# KiCad board STM32MP25XXAK with 2 DDR4.kicad_pcb (continued)
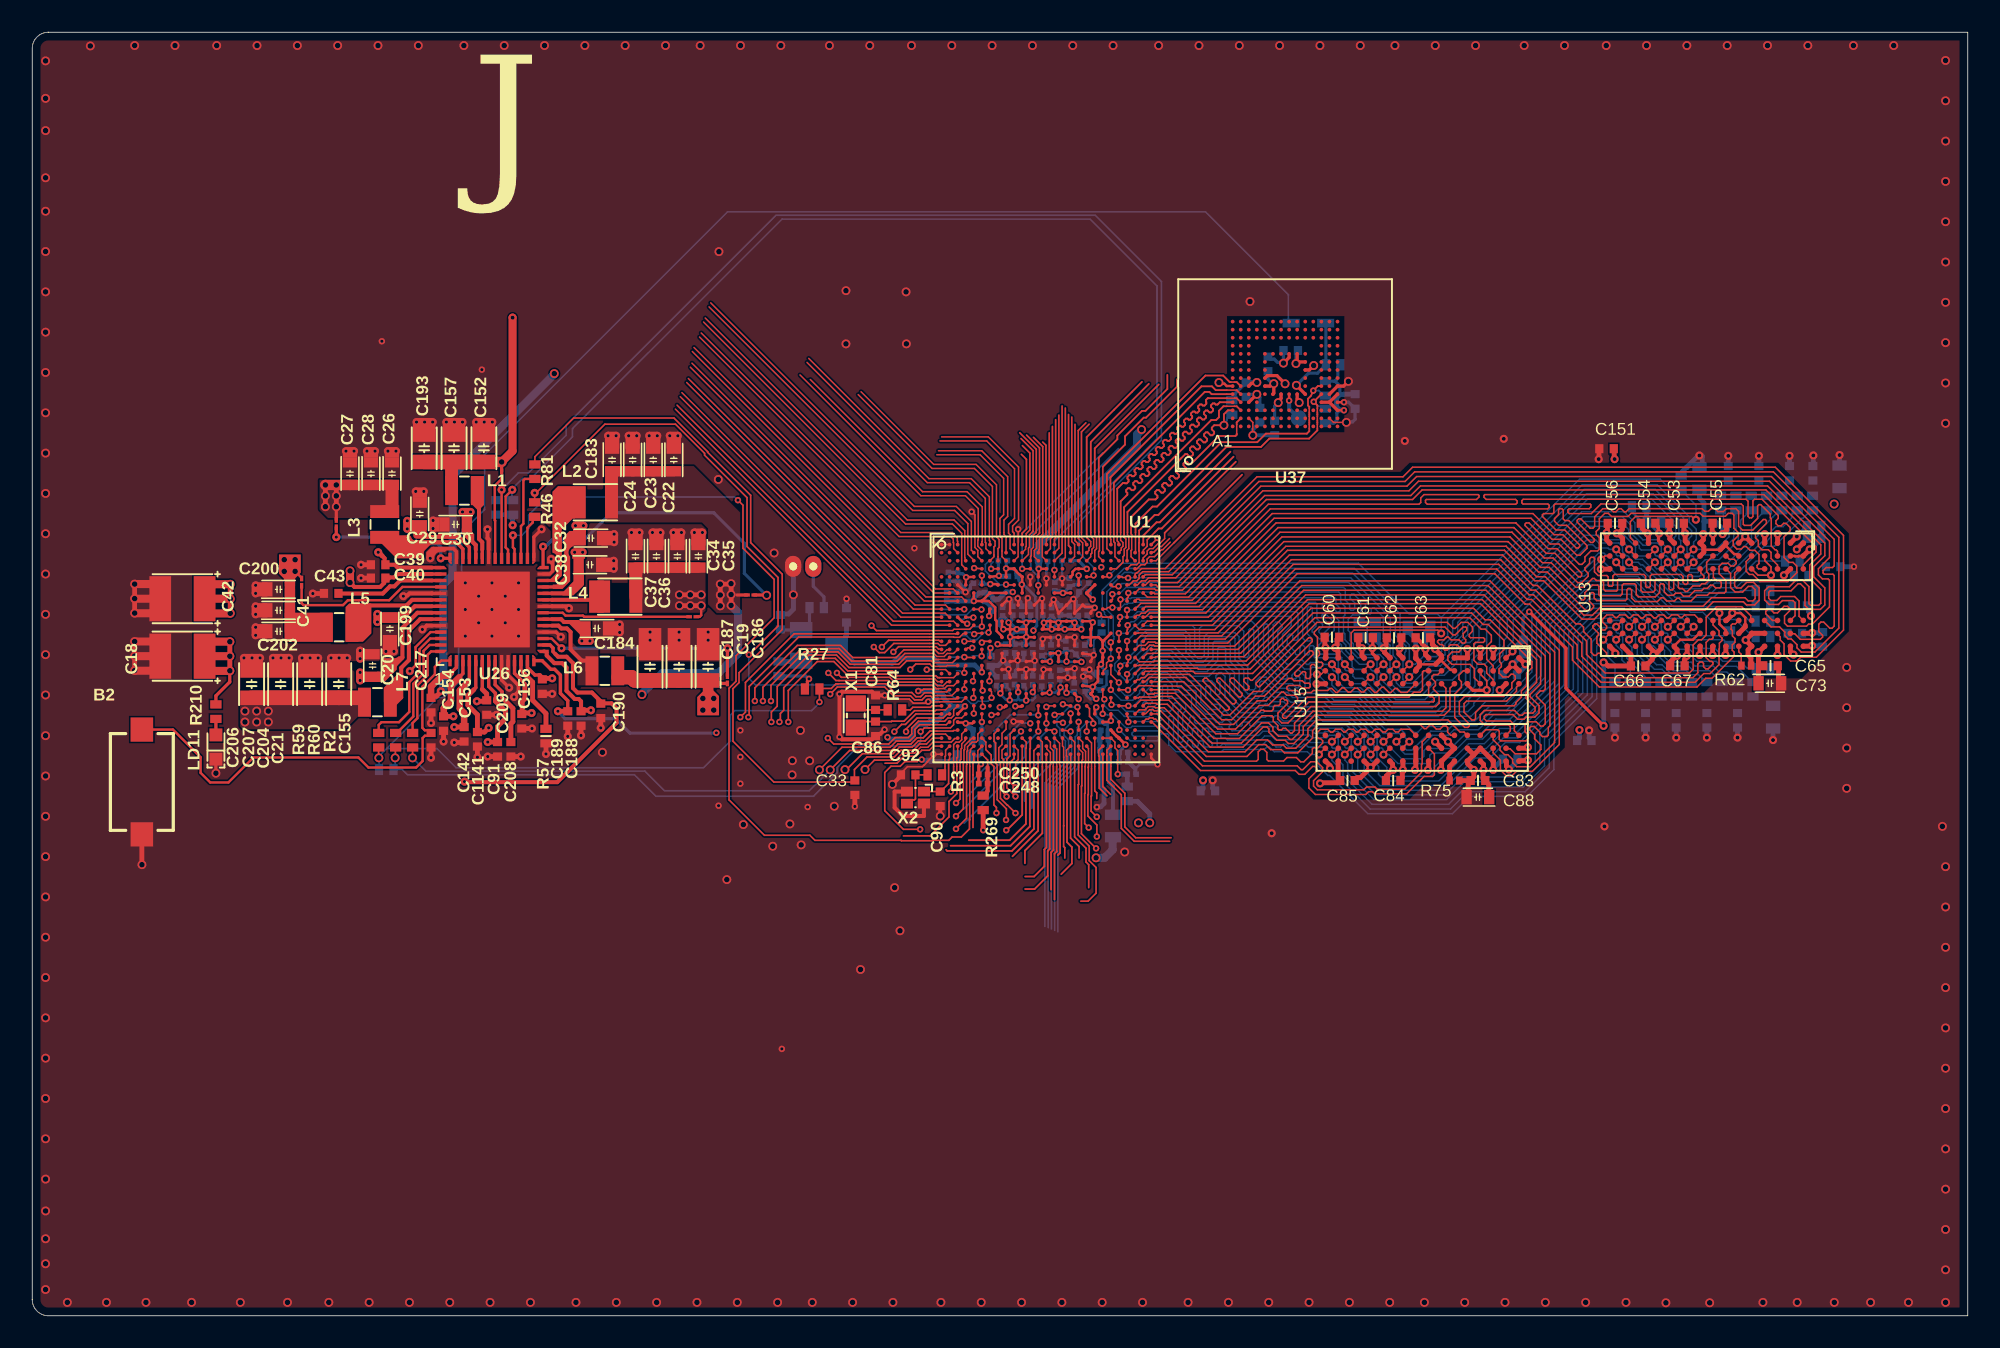
[diagram p0: board, top side]
## Routing (per net, layer and track width the routed paths; a pad name or vN(x,y) marks a point on that pad's centre or on a via; arc(x,y) is an arc through that point) (continued)
eMMC.SDMMC2_D4: length 14.7
  Top Layer w0.09: 67.7,48.27 67.81,48.17 67.81,47.65 67.7,47.54 67.7,47.15 67.63,47.07 67.63,46.72 67.23,46.32 U1.D22 66.9,46.35 ; 74.06,56.4 74.54,56.4
  Top Layer w0.11: U37.B3 74.68,56.4 74.54,56.4 ; 67.7,48.27 67.69,48.28 67.69,50.14 73.1,55.55 73.4,55.55 73.58,55.72 73.58,56.12 73.86,56.4 74.06,56.4
eMMC.SDMMC2_D5: length 17.3
  Top Layer w0.09: 67.27,48.57 67.27,48.06 67.35,47.97 67.35,47.85 U1.A23 ; 74.06,56.9 74.54,56.9
  Top Layer w0.11: 74.06,56.9 72.88,56.9 72.77,56.8 72.77,56.69 72.79,56.67 72.79,56.56 72.68,56.45 72.57,56.45 72.5,56.52 72.4,56.52 72.29,56.41 72.29,56.3 72.35,56.23 72.35,56.12 72.24,56.01 72.13,56.01 72.07,56.08 71.96,56.08 71.85,55.97 71.85,55.86 71.92,55.79 71.92,55.68 71.81,55.57 71.7,55.57 71.63,55.64 71.52,55.64 71.41,55.53 71.41,55.42 71.48,55.35 71.48,55.24 71.37,55.13 71.26,55.13 71.19,55.2 71.08,55.2 70.97,55.09 70.97,54.98 71.04,54.91 71.04,54.8 70.93,54.69 70.82,54.69 70.75,54.76 70.64,54.76 70.53,54.65 70.53,54.54 70.6,54.48 70.6,54.37 70.49,54.26 70.38,54.26 70.31,54.32 70.2,54.32 70.09,54.21 70.09,54.1 70.16,54.04 70.16,53.93 70.05,53.82 69.94,53.82 69.87,53.89 69.76,53.89 69.66,53.78 69.66,53.67 69.72,53.6 69.72,53.49 69.61,53.38 69.5,53.38 69.44,53.45 69.33,53.45 69.22,53.34 69.22,53.23 69.28,53.16 69.28,53.05 69.18,52.94 69.07,52.94 69,53.01 68.89,53.01 68.78,52.9 68.78,52.79 68.85,52.72 68.85,52.61 68.74,52.5 68.63,52.5 68.56,52.57 68.45,52.57 68.34,52.46 68.34,52.35 68.41,52.28 68.41,52.17 68.3,52.06 68.19,52.06 68.12,52.13 68.01,52.13 67.9,52.02 67.9,51.91 67.97,51.84 67.97,51.74 67.86,51.63 67.75,51.63 67.73,51.65 67.62,51.65 67.27,51.29 67.27,48.57 ; 74.54,56.9 74.68,56.9 U37.B4
eMMC.SDMMC2_D6: length 14.8
  Top Layer w0.09: 74.06,57.4 74.68,57.4 ; 66.85,48.36 66.85,48.18 66.88,48.15 U1.A22
  Top Layer w0.096: 66.85,48.36 66.85,48.57
  Top Layer w0.11: 66.85,48.57 66.85,52 72.49,57.64 73.14,57.64 73.38,57.4 74.06,57.4 ; 74.68,57.4 U37.B5
eMMC.SDMMC2_D7: length 16.1
  Top Layer w0.09: 66.63,48.57 66.63,47.57 U1.B22 ; 74.31,57.9 74.54,57.9
  Top Layer w0.11: U37.B6 74.68,57.9 74.54,57.9 ; 74.31,57.9 74.24,57.9 73.84,58.31 72.74,58.31 66.63,52.2 66.63,48.57
HSE_IN: length 3.6
  Top Layer w0.1: X2.1 56.32,32.51 56.81,33.01 56.81,34.46 56.88,34.52 U1.AG2
HSE_OUT: length 2
  Top Layer w0.09: U1.AF2 56.63,35.07 56.63,34.72 56.59,34.69 56.59,34.07
  Top Layer w0.1: 56.59,34.07 56.59,33.73 R3.2
I2C7.SCL: length 74.8
  Top Layer w0.1: U1.E15 v1(63.38,46.25)
  Top Layer w0.15: U26.33 29.5,47.5 29.35,47.65 29.35,50.81 v4(29.76,51.22)
  Bottom Layer w0.1: v1(63.38,46.25) 63.38,48.05 69.73,54.41 69.73,63.86 65.59,68.01 46.49,68.01 33.49,55.02 33.49,54.51 30.92,51.93 30.41,51.93 29.74,51.27 29.74,50.63 29.79,50.58
I2C7.SDA: length 76.1
  Top Layer w0.1: U1.E19 65.63,45.82
  Top Layer w0.15: U26.34 v4(29.1,51.22)
  Bottom Layer w0.1: 29.09,51.23 30.14,52.28 30.77,52.28 33.1,54.6 33.1,55.23 46.12,68.25 65.9,68.25 70.01,64.14 70.01,54.3 64.91,49.21 64.91,47.3 65.8,46.41 v1(65.8,45.91) ; 29.08,51.23 29.08,50.76 28.9,50.58 28.81,50.58
MP257_WAKEUP: length 59.2
  Top Layer w0.09: 58.13,34.07 58.13,34.93 58.17,34.97 58.17,35.11 U1.AF5
  Top Layer w0.1: v1(43.75,50.58) 44.06,50.27 44.06,47.6 46,45.67 46,43.28 43.63,40.92 43.63,39.35 43.2,38.92 43.2,31.99 45.4,29.8 48.21,29.8 48.52,29.49 53.86,29.49 53.89,29.46 55.79,29.46 55.81,29.49 56.83,29.49 57.03,29.69 57.6,29.69 58.11,30.19 58.11,30.75 58.13,30.77 58.13,34.07
  Top Layer w0.15: v4(29.8,48.4) 29.8,47.65 29.9,47.55 U26.32
  Bottom Layer w0.1: v1(43.75,50.58) 43.74,50.58 43.54,50.78 31.9,50.78 30.78,49.66 30.78,48.82 30.36,48.4 29.78,48.4
NetB2_2: length 28.3
  Top Layer w0.15: B2.2 8.72,36.35 10.44,34.64 10.44,33.67 11.04,33.07 12.16,33.07 13.71,34.62 20.22,34.62 20.85,34 23.8,34 24.2,34.4 24.2,35.82 24.35,35.97 24.55,35.97 C155.2 24.56,36.31 24.34,36.31 24.19,36.46 24.19,39.01 24.96,39.78 24.96,40.24 25.36,40.63 25.9,40.63
NetC14_2: length 2.9
  Bottom Layer w0.2: 48.19,43.8 48.19,42.92 47.79,42.52 D6.2 46.42,42.52 C14.2
NetC15_2: length 8.8
  Top Layer w0.15: 65.95,37.75 65.95,37.68 65.88,37.61 U1.AB20 ; U1.AC21 66.73,36.82
  Top Layer w0.16: 66.9,36.92 66.88,36.95 U1.AB22
  Bottom Layer w0.15: 66.68,36.37 66.68,36.57 66.6,36.65 ; v1(65.97,37.73) 65.95,37.72 65.95,37.2 66.17,36.99 66.17,36.94 66.36,36.75 66.37,36.75 66.47,36.65 66.64,36.65 66.88,36.89
  Bottom Layer w0.25: 66.75,35.71 66.75,33.08 67,32.83 R11.2 ; 66.67,36.37 66.67,35.77 66.72,35.72 C15.2
  vias: v1(66.88,36.9)
NetC43_2: length 6.7
  Top Layer w0.21: 24.78,45.6 U26.45
  Top Layer w0.25: 24.78,45.6 22.82,45.6 22.45,45.23 22.18,45.23 21.73,44.79 19.02,44.79
NetC54_2: length 3.4
  Top Layer w0.2: 101.01,47.93 100.98,47.93 100.83,48.08 100.83,48.48 ; 100.85,48.53 100.82,48.56 100.82,48.85 100.79,48.89 100.79,48.99 C54.2
  Bottom Layer w0.15: 100.09,49.28 100.85,48.52
  Bottom Layer w0.3: 100.09,49.28 100.08,49.29 100.08,50.23
  vias: v3(100.86,48.52)
NetC61_2: length 4.2
  Top Layer w0.2: v3(83.09,41.41) 83.12,41.43 C61.2 ; v3(83.09,41.41) 83.09,41.08 U15.M1 ; v3(83.09,41.41) 83.04,41.36
  Bottom Layer w0.1: 82.79,43.02 82.77,43 82.77,41.73 v3(83.09,41.41)
  Bottom Layer w0.2: 82.27,43.02 R141.1 83.31,43.02
NetC79_2: length 3.5
  Top Layer w0.09: v2(75.68,54.6) 75.68,55.4 U37.C2
  Bottom Layer w0.25: C130.2 v2(75.68,54.6) 75.68,54.97 C79.2
NetC81_1: length 2.1
  Top Layer w0.1: X1.1 51.46,37.57 C81.1 R64.2
NetC92_1: length 2.9
  Top Layer w0.1: X2.3 54.46,31.99 54.69,31.99 54.76,32.05 C92.1 R3.1
NetC208_1: length 5.4
  Top Layer w0.21: U26.8 28.7,39.13 29.13,38.71 29.13,38.34 29.3,38.17
  Top Layer w0.3: 29.3,38.17 29.8,37.67 29.8,36.84 29.68,36.72 29.68,35.7
NetC225_2: length 1.1
  Top Layer w0.1: U1.R7 59.38,41.41
  Bottom Layer w0.1: 59.38,40.95 C225.2
  Bottom Layer w0.3: 59.38,40.95 59.38,41.41
  vias: v1(59.41,41.41)
NetC235_2: length 3.2
  Top Layer w0.09: v1(58.88,36.82) U1.AB6
  Bottom Layer w0.2: v1(58.88,36.82) C244.2 C235.2 58.88,34.86 58.73,34.72 R267.1
NetC251_2: length 4.3
  Top Layer w0.09: U1.AE21 U1.AE22 ; 66.9,35.8 67.13,35.57 67.13,35.22 67.29,35.05 67.29,33.59 v1(67.3,33.59)
  Top Layer w0.1: U1.AE22 66.9,35.8
  Bottom Layer w0.3: v1(67.3,33.59) C251.2 R286.2
NetCN12_1: length 3.2
  Bottom Layer w0.2: 48.43,46.8 48.43,45.24 49.08,44.58 R66.1
NetD6_1: length 1.4
  Bottom Layer w0.3: D6.1 47.62,40.57 R67.1
NetD7_1: length 5.7
  Top Layer w0.2: v2(78.38,57.7) U37.K5
  Bottom Layer w0.2: D7.1 80.21,61.55 R248.1 79.68,58.45 79.13,58.45 v2(78.38,57.7)
NetL1_1: length 4.2
  Top Layer w0.21: U26.37 27.9,47.52
  Top Layer w0.25: 27.7,51.14 27.7,48.17 27.9,47.97 27.9,47.52
NetL2_1: length 6
  Top Layer w0.09: 32.73,48.56 32.73,49.26 33.43,49.97 33.56,49.97 33.92,50.32 L2.1
  Top Layer w0.2: 31.92,45.6 32.4,45.6 32.73,45.92 32.73,48.56
NetL3_1: length 5.9
  Top Layer w0.15: 21.7,48.16 21.85,48.01
  Top Layer w0.21: L3.1 22.14,47.99 26.27,47.99 26.7,47.56 U26.40
NetL4_1: length 3.8
  Top Layer w0.15: 35.36,43.88 35.36,44.4
  Top Layer w0.21: U26.23 32.23,44.4
  Top Layer w0.25: 32.23,44.4 35,44.4
NetL5_1: length 7.2
  Top Layer w0.15: 20.09,42.58 20.09,43.1 ; 19.62,42.45 19.87,42.7
  Top Layer w0.21: 24.78,44.4 U26.48
  Top Layer w0.25: 19.83,43.6 20.28,44.05 23.2,44.05 23.55,44.4 24.78,44.4 ; 20.09,43.1 20.09,43.61
NetL6_1: length 4.9
  Top Layer w0.21: U26.19 32.23,42.8
  Top Layer w0.25: 34.43,40.02 34.43,40.62 34.43,40.63 34.07,40.63 33.38,41.32 33.38,42.4 33.15,42.63 32.8,42.63 32.62,42.8 32.23,42.8
NetL7_1: length 7.4
  Top Layer w0.21: 24.78,43.2 U26.51
  Top Layer w0.25: 22.43,38.42 22.43,38.67 ; 24.78,43.2 24.05,43.2 23.35,42.5 23.35,40.66 22.88,40.18 22.88,38.35 22.48,37.95
NetLD11_1: length 1
  Top Layer w0.2: LD11.1 R210.2
NetR2_2: length 6.1
  Top Layer w0.15: R2.2 23.58,36.76 23.88,37.05 23.88,39.09 24.51,39.73 24.51,40.99 24.73,41.2 U26.56
NetR46_2: length 2.8
  Top Layer w0.15: R46.2 31.03,49.43 31.03,49.2 30.7,48.87 U26.30
NetR57_2: length 4.9
  Top Layer w0.21: U26.12 30.3,40.02 30.47,39.85
  Top Layer w0.3: 30.47,39.85 31.03,39.29 31.03,38.17 31.85,37.35 R57.2
NetR59_2: length 8.5
  Top Layer w0.15: R59.2 21.48,36.64 21.65,36.81 22.74,36.81 23.38,37.45 23.38,39.3 24.01,39.94 24.01,41.34 24.68,42 U26.54
NetR60_2: length 7.1
  Top Layer w0.15: R60.2 22.6,36.14 23.62,37.17 23.62,39.19 24.26,39.83 24.26,41.23 24.63,41.6 U26.55
NetR62_2: length 1.3
  Top Layer w0.09: 105.81,41.52 105.81,41.17 105.96,41.02 105.96,40.32
NetR75_2: length 1.3
  Top Layer w0.3: 88.18,34.4 88.18,34.37 87.88,34.07 R75.2
NetR81_2: length 5.7
  Top Layer w0.15: U26.31 30.3,48.97 30.45,49.12 30.45,51.81 30.54,51.9 R81.2
NetR174_2: length 1.4
  Top Layer w0.1: U1.K22 66.37,43.32 66.21,43.49 v1(66.14,43.49)
  Bottom Layer w0.1: v1(66.14,43.49) 66.14,43.45 66.3,43.29 R174.2
NetTP21_1: length 1.7
  Top Layer w0.15: v1(77.93,56.75) U37.H5
  Bottom Layer w0.25: v1(77.93,56.75) 77.93,56.26 TP21.1
NRST: length 49.7
  Top Layer w0.09: U1.AE1 55.81,35.82 55.44,35.46
  Top Layer w0.1: 55.44,35.46 55.02,35.46 54.63,35.07 53.86,35.07 53.45,34.66 51.76,34.66 50.98,33.87 50.98,33.22 C33.2 50.9,33.1 45.98,33.1 43.44,35.63 43.44,38.89 43.82,39.27 43.82,39.88 46.5,42.56 46.5,45.99 44.54,47.95 44.54,50.88 41.87,53.55 41.87,53.59 39.79,55.67 33.57,55.67 31.16,53.27 R81.1
NRSTC1MS: length 123.2
  Top Layer w0.09: 56.11,38.46 57.01,38.46 U1.W3
  Top Layer w0.1: R59.1 21.48,35.24 21.48,34.62 21.49,34.61 ; v1(48.8,38.06) R27.1 48.8,38.9 49.54,38.9 49.83,39.19 49.94,39.19 49.94,39.19 50.56,39.19 50.56,39.19 52.93,39.19 53.47,38.65 54.53,38.65 54.79,38.39 55.08,38.39 55.32,38.64 55.76,38.64 55.94,38.46 56.11,38.46
  Bottom Layer w0.1: 21.97,35.18 25.09,35.18 26.28,33.99 41.63,33.99 43.29,35.65 43.29,37.26 43.56,37.53 48.31,37.53 48.8,38.02 v1(48.8,38.06) ; 21.97,35.18 25.13,38.34 25.5,38.34 26.43,39.27 26.43,45.73 26.62,45.92 26.62,48.57 28.05,50 28.05,53.4 43.11,68.46 72.74,68.46 77.88,63.32 77.88,61.56 ; 21.97,35.18 21.49,34.69 21.49,34.61 21.5,34.6 21.5,33.88
  vias: v2(21.49,34.6)
OSC32_IN: length 6.4
  Top Layer w0.09: 55.63,37.52 56,37.52 56.05,37.57 56.63,37.57 U1.AA2
  Top Layer w0.1: X1.2 51.43,36.85 53.27,36.85 53.3,36.87 54.05,36.87 54.7,37.52 55.63,37.52
OSC32_OUT: length 2.5
  Top Layer w0.09: 56.05,37.82 U1.AA1
  Top Layer w0.1: R64.1 54.44,37.57 54.6,37.74 55.69,37.74 55.78,37.82 56.05,37.82
PMIC_WAKEUPn: length 46.6
  Top Layer w0.09: v1(59.48,38.32) 59.48,38.7 59.38,38.8 U1.W7
  Top Layer w0.1: R46.1 31.15,50.94 35.5,55.29 39.88,55.29 41.68,53.49 41.68,53.37 44.32,50.74 44.32,47.71 46.24,45.78 46.24,42.78 44.46,41 v1(44.43,41)
  Bottom Layer w0.09: v1(59.48,38.32) 59.26,38.11 58.64,38.11 58.49,37.97 58.21,37.97 57.85,38.32 57.14,38.32 56.34,39.12 44.83,39.12 44.43,39.53 v1(44.43,41)
  vias: v4(31.15,51.03)
PWR_CPU_ON: length 40.2
  Top Layer w0.09: 55.63,36.46 56.93,36.46 57.13,36.65 57.13,36.93 57.27,37.07 57.63,37.07 U1.AB4
  Top Layer w0.095: 55.57,36.45 55.63,36.45
  Top Layer w0.1: R60.1 22.51,35.23 22.51,34.61 v2(22.5,34.6) ; 55.57,36.45 55.31,36.45 v1(55.08,36.23)
  Bottom Layer w0.1: v2(22.5,34.6) 22.5,34.1 22.47,34.07 ; 22.4,33.88 22.94,33.88 23.27,33.55 37.33,33.55 38.67,32.22 48.44,32.22 49.9,33.68 49.9,34.01 51.23,35.33 54.81,35.33 55.08,35.6 55.08,36.22
PWR_ON: length 36.9
  Top Layer w0.09: 56.08,36.26 57.09,36.26 57.13,36.3 57.35,36.3 U1.AD3
  Top Layer w0.1: v2(23.58,34.6) 23.58,34.6 R2.1 ; v2(49.47,33.85) 50.68,35.06 53.28,35.06 53.67,35.45 54.47,35.45 54.87,35.84 55.24,35.84 55.66,36.26 56.08,36.26
  Bottom Layer w0.1: v2(49.47,33.85) 48.18,32.56 39.2,32.56 37.98,33.77 24.4,33.77 v2(23.58,34.6)
VPP_DDR: length 140.4
  Top Layer w0.09: 91.37,40.8 91.45,40.8
  Top Layer w0.15: 91.38,40.8 91.78,41.2
  Top Layer w0.2: v1(92.81,43.66) 92.82,43.66 95.09,41.39 95.09,38.92 v3(97.42,36.58)
  Top Layer w0.21: 28.72,38.25 28.72,38.61 28.3,39.02 U26.7
  Top Layer w0.3: 80.98,34.4 80.97,34.39 80.97,33.07 80.95,33.06 79.88,33.06 v3(79.84,33.02) ; 109.4,48.32 v3(109.4,48.33) ; 109.4,48.32 109.34,48.25 ; 109.4,48.32 109.4,48.32 U13.B1 ; U13.R9 99.12,41.01 C66.2 97.7,40.3 97.46,40.53 97.42,40.53 ; 28.85,35.73 28.85,36.55 29.34,37.03 29.34,37.5 28.72,38.12 28.72,38.25 ; v4(28.24,35.58) C91.1
  Signal Layer 2 2 w0.6: v3(109.4,48.33) 110.33,48.33 111.65,47.01 111.65,37.94 110.23,36.51 97.42,36.51 ; 97.42,36.51 97.42,35.95 91.91,30.44 80.87,30.44 79.85,31.46 79.85,33 79.82,33.04 74.65,33.04 67.47,25.86 33.44,25.86 28.92,30.37 28.92,34.95 28.29,35.58 ; 97.42,36.51 v3(97.42,36.58)
  Bottom Layer w0.18: v3(109.4,48.33) 109.4,48.37 109.86,48.83 109.86,48.86 C158.2
  Bottom Layer w0.2: 92.43,41.93 92.43,43.28 v1(92.81,43.66)
  Bottom Layer w0.3: C203.2 92.35,41.82 92.31,41.82 91.82,41.33 91.82,41.24 v3(91.78,41.2) ; 97.43,40.52 97.43,36.6 v3(97.42,36.58)
  vias: v3(97.42,40.52)
VREF+: length 2.9
  Top Layer w0.09: U1.AG6 59.13,34.57
  Top Layer w0.1: 59.23,34.02 59.23,34.47 59.13,34.57
  Top Layer w0.25: R269.2 59.05,32.26 59.18,32.39 59.18,32.48 59.23,32.53 C248.2 C250.2 59.23,34.02
VTT_DDR: length 130.9
  Top Layer w0.21: 24.78,46 U26.44
  Top Layer w0.25: v2(19.7,45.47) 19.98,45.2 21.58,45.2 21.82,45.44 21.82,45.63 21.94,45.75 22.01,45.75 ; 22.01,45.63 22.17,45.79 22.44,45.79 22.65,46 24.78,46
  Top Layer w0.5: v2(19.7,45.47) 19.7,46.2
  Signal Layer 2 2 w0.6: 18.88,45.48 18.88,46.2
  Signal Layer 2 2 w0.7: v2(19.7,46.2) 17.74,46.2 16.71,45.16 15.34,45.16 14.38,46.12 14.38,53.73 20.2,59.55 64.18,59.55 64.5,59.23 65.63,59.23 69.58,55.29 69.58,54.04 76.03,47.59 90.58,47.59 96.83,53.84 99.09,53.84 100.36,52.58 104.2,52.58 105.93,50.85 111.2,50.85 v2(111.72,50.34)

## Copper pours and planes (outline as drawn; the poured copper is in the pictures)
1V8 on Signal Layer 2 2: 29.18,64.6 29.18,61.47 70.19,61.47 70.25,51.21 84.26,51.21 86.23,53.17 86.23,64.6
3V3 on Top Layer: 12.89,36.55 13.06,36.37 19.41,36.37 20.71,37.67 20.71,38.52 13.09,38.52 12.89,38.32
3V3 on Signal Layer 2 2: 26.5,29.39 4.21,29.39 4.21,52.01 12.94,52.01 12.94,41.55 13.95,40.54 26.5,40.54
5V_STLK on Top Layer (solid shape): 23.25,43.62 23.25,43.4 22.83,42.98 21.15,42.98 21.15,43.52 21.4,43.52 21.5,43.62
5V_STLK on Top Layer (solid shape): 22.88,40.9 22.72,40.9 22.69,40.87 22.65,40.84 22.6,40.82 22.55,40.8 22.5,40.78 22.45,40.77 22.43,40.77 21.93,40.77 21.9,40.77 21.85,40.78 21.8,40.8 21.75,40.82 21.7,40.84 21.66,40.87 21.65,40.45 21.65,39.94 21.38,39.94 21.38,39.3 21.83,39.3 22.6,40.07 22.6,40.18 22.6,40.23 22.61,40.27 22.63,40.31 22.65,40.35 22.68,40.38 23.04,40.74
5V_STLK on Top Layer (solid shape): 33.61,47.78 33.43,47.67 33.35,47.6 33.27,47.48 33.25,47.34 33.25,47.33 33.27,47.19 33.35,47.07 33.35,45.54 33.35,45.55 32.88,45.08 32.27,45.08 32.27,45.35 32.51,45.35 32.98,45.82 32.98,48.35 33.31,48.67 34.33,48.67 34.33,47.78
5V_STLK on Top Layer (solid shape): 25.23,48.52 25.13,48.42 24.78,48.42 24.53,48.53 24.43,48.77 24.43,48.82 23.7,48.82 23.65,48.8 23.63,48.75 23.63,48.4 23.68,48.26 23.83,48.2 26.45,48.19 26.85,47.8 27.11,47.8 26.39,48.52 26.13,48.52
5V_STLK on Signal Layer 2 2: 11.87,50.63 37.44,50.63 37.48,50.59 37.48,31.99 14.15,31.99 11.91,34.23
GND on Top Layer (solid shape): 39,41.3 39,42.65 37.6,42.65 37.6,41.3
GND on Top Layer (solid shape): 40.8,41.3 40.8,42.65 39.4,42.65 39.4,41.3
GND on Top Layer (solid shape): 42.6,41.3 42.6,42.65 41.2,42.65 41.2,41.3
GND on Top Layer: 0,79.8 120,79.8 120,0.2 0,0.2
GND on Bottom Layer: 0.26,79.38 120,79.38 120,-0.22 0.26,-0.22
GND on Signal Layer 1: 0,79.6 120,79.6 120,0 0,0
GND on Signal Layer 2 2: -0.73,79.6 120,79.6 120,44.24 120,0 -0.73,0
VDD_DDR on Top Layer (solid shape): 16.3,45.73 16.65,46.08 16.65,47.21 15.3,47.22 15.3,46.02 15.66,45.66 15.66,45.24 16.3,45.24
VDD_DDR on Signal Layer 2 2: 17.72,49.75 17.75,49.78 21.62,49.78 21.85,49.55 21.85,49.54 21.85,46.79 21.53,46.47 17.72,46.47 16.72,45.47 15.42,45.47 14.75,46.14 14.75,53.38 19.35,57.99 64.94,57.99 75.79,47.13 90.76,47.13 97.01,53.38 98.9,53.38 100.11,52.2 103.96,52.2 105.75,50.37 108.9,50.36 110.56,50.36 110.73,50.2 110.73,48.53 111.87,47.39 111.87,38.66 110.07,36.84 97.74,36.84 91.75,30.85 80.24,30.85 78.46,32.63 72.21,32.63 69.95,34.9 68.07,34.89 66.12,36.84 65.28,36.84 65.28,42.72 65.4,42.84 65.4,44.61 66.08,45.29 66.08,48.28 62.26,52.1 18.04,52.1 17.72,51.78
VDDCORE on Top Layer: 41.01,52.69 43.89,49.81 43.89,43.59 43.89,43.58 42.44,43.58 41.9,44.13 41.9,48.83 41.52,49.2 35.52,49.2 35.51,52.69
VDDCORE on Signal Layer 2 2: 61.62,43.6 61.62,45.05 59.67,47 42.25,47 42.25,41.02 62.34,41.02 62.34,42.83
VDDCPU on Top Layer: 17.81,51.84 17.81,50 18.34,49.47 22.75,49.47 22.75,49.48 22.75,51.84
VDDCPU on Signal Layer 2 2: 65.32,42.75 63.34,40.78 63.33,40.78 61.13,40.77 61.13,45.53 60.12,46.55 34.96,46.55 34.96,48.62 35.01,48.67 34.68,49 28.64,49 28.55,48.91 27.62,49.85 17.82,49.85 17.72,49.75 17.72,51.78 19.34,53.4 28.22,53.4 29.1,52.51 29.1,52.5 61.86,52.5 66.02,48.34 66.02,44.7 65.32,44
VDDGPU on Top Layer: 41.6,43.6 41.75,43.74 41.75,46.72 37.03,46.72 37.03,43.6
VDDGPU on Signal Layer 2 2: 65.48,41.33 65.48,37.84 67.04,36.28 67.04,32.84 64.42,30.22 41.23,30.22 37.77,33.61 37.77,38.92 35.1,41.52 35.1,43.76 36.63,45.29 42.13,45.29 42.13,40.86 41.05,39.78 41.05,37.54 42.87,35.71 57.87,35.71 60.11,37.92 61.77,37.92 61.94,38.1 61.94,41.33
VDDIO on Top Layer (solid shape): 41.58,38.72 41.23,38.37 41.23,37.23 42.58,37.23 42.58,38.43 42.22,38.79 42.22,39.21 41.58,39.21
VDDIO on Top Layer: 31,46.77 31,48.57 31.53,49.1 31.71,49.1 32.15,48.66 32.15,48.12 31.45,47.42 31.45,46.77
VDDIO on Signal Layer 2 2: 62.35,38.39 61.73,37.77 60.09,37.77 57.88,35.56 42.88,35.56 41.05,37.39 41.05,39.65 42.44,41.04 61.52,41.04 62.35,40.21
NetL1_1 on Top Layer (solid shape): 28,50.28 27.65,49.93 27.19,50.39 27.2,52.07 28,52.07
NetL2_1 on Top Layer (solid shape): 33.65,49.45 33.52,49.45 32.83,48.76 32.83,46 32.35,45.52 32.03,45.52 32.03,45.67 32.11,45.67 32.45,46.01 32.51,46.09 32.52,46.19 32.52,46.74 32.57,46.85 32.57,47.01 32.51,47.16 32.4,47.27 32.27,47.32 32.25,47.32 32.25,51.1 32.6,51.45 33.52,51.45 33.65,51.31
NetL3_1 on Top Layer (solid shape): 23.78,48.04 23.75,48.05 23.73,48.06 23.65,48.09 23.63,48.1 23.6,48.12 23.55,48.18 23.53,48.2 23.51,48.23 23.49,48.29 23.48,48.32 23.46,48.35 23.43,48.37 23.4,48.39 23.35,48.4 22.58,48.4 22.58,47.26
NetL3_1 on Top Layer (solid shape): 22.58,46.97 21.39,48.16 22.49,48.16 22.58,48.07 26.18,48.07 26.42,47.83 24.79,47.83 24.64,47.77 24.34,47.47 24.27,47.31 24.27,46.97
NetL4_1 on Top Layer (solid shape): 34.53,45.6 34.53,43.6 35.43,43.6 35.43,45.6
NetL5_1 on Top Layer (solid shape): 19.43,43.95 19.65,44.17 21.03,44.17 21.03,42.32 20.5,41.8 19.43,41.8
NetL6_1 on Top Layer: 33.38,41.86 33.84,41.4 35.1,41.4 35.1,39.1 35.1,39.1 33.8,39.1 33.8,40.72 33.38,41.15
NetL7_1 on Top Layer (solid shape): 22.88,38.35 22.57,38.05 21.8,38.05 21.8,38.95 22.88,40.02
VTT_DDR on Bottom Layer: 109.73,41.84 110,41.58 110,36.93 97.74,36.93 97.74,38.86 107.28,38.86 107.28,45.4 109.7,45.4 109.7,46.34 109.16,46.34 109.17,47.17 110.44,47.17 111.38,47.93 111.38,49.33 110.95,49.75 110.95,50.37 104.4,50.37 104.38,50.35 104.33,50.4 104.33,52.07 112.63,52.07 112.63,47.27 112.22,46.86 111.82,46.86 111.65,46.69 111.65,45.83 110.35,44.52 109.7,44.52 109.58,44.4 109.58,43.62 109.7,43.5 109.7,42.8 109.28,42.8 109.28,41.84

Small or netless copper shapes (teardrops, artwork), in the pictures only: 49 on Top Layer

## Text on the board
User.Drawings: D | C | 381 | 147 | 256 | 2 | 786 Total | Layer | 1 | 3 | 4 | 0.200mm | 0.250mm | 0.350mm | 0.500mm | Name | Top Overlay | Top Solder | Top Layer | Dielectric 1 | Signal Layer 1 | Dielectric 2 | Signal Layer 2 | Dielectric 3 | Bottom Layer | Bottom Solder | Bottom Overlay | PTH | Material | Solder Resist | Round | Top Layer - Bottom Layer | Thickness | 0.025mm | 0.037mm | 0.070mm | 0.035mm | 1.330mm | Constant | 3.5 | 3.8 | 4.3 | Via | Pad | Rounded | - | Symbol | Count | Hole Size | Plated | Hole Type | Drill Layer Pair | Via/Pad | Pad Shape | Hole Length | PCB SPECIFICATIONS : | A.   MATERIAL : | B.   MATERIAL FAMILY : | C.   SOLDERMASK COLOR : | D.   SILKSCREEN COLOR : | E.   SURFACE FINISH : | F.   IMPEDANCE CONTROL : | G.   THROUGH VIA : | H.   STACK-UP : | FR-4 | N/A | GREEN | X  WHITE | X  ENIG | HASL | NO | PLUG THE VIAS WHICH ARE COVERED WITH SOLDERMASK ONE OR TWO SIDE. | PLUG MATERIAL : | SEE LAYER STACK-UP SEQUENCE FOR OVERALL THICKNESS. | TG-170 | X  BLUE | YELLOW | IMMERSION SILVER | HASL (PB-FREE) | X  YES | X  SOLDERMASK | X  TG-150 | RED | BLACK | TG-140 | IMMERSION TIN | GOLDEN FINGER | NON-CONDUCTIVE EPOXY. | PCB : TYPE 4 | ASPECT-RATIO, AXE Z : | BGA : | MINIMUN PARAMETERS | DEFAULT | 6 :1  to  8 :1 / LEVEL "B" | TRACKS : 0.090mm / GAPS : 0.090mm | TRACKS : 0.100mm / GAPS : 0.100mm
Top Overlay: J
